# Altium PCB SVEC.pcbdoc (part 16 of 18)
Units mil, origin at the board's own origin, x right, y up, seen from the top; angles counter-clockwise.
Board outline 6349.25 x 9237.04 mil, 10 copper layers (Top Layer, L2 GND, L3, L4 PWR3.3, L5, L6, L7 GND, L8, L9 PWR, Bottom Layer), stack 58.268 mil thick; 906 components, 904 nets, 4753 pads, 3116 vias.
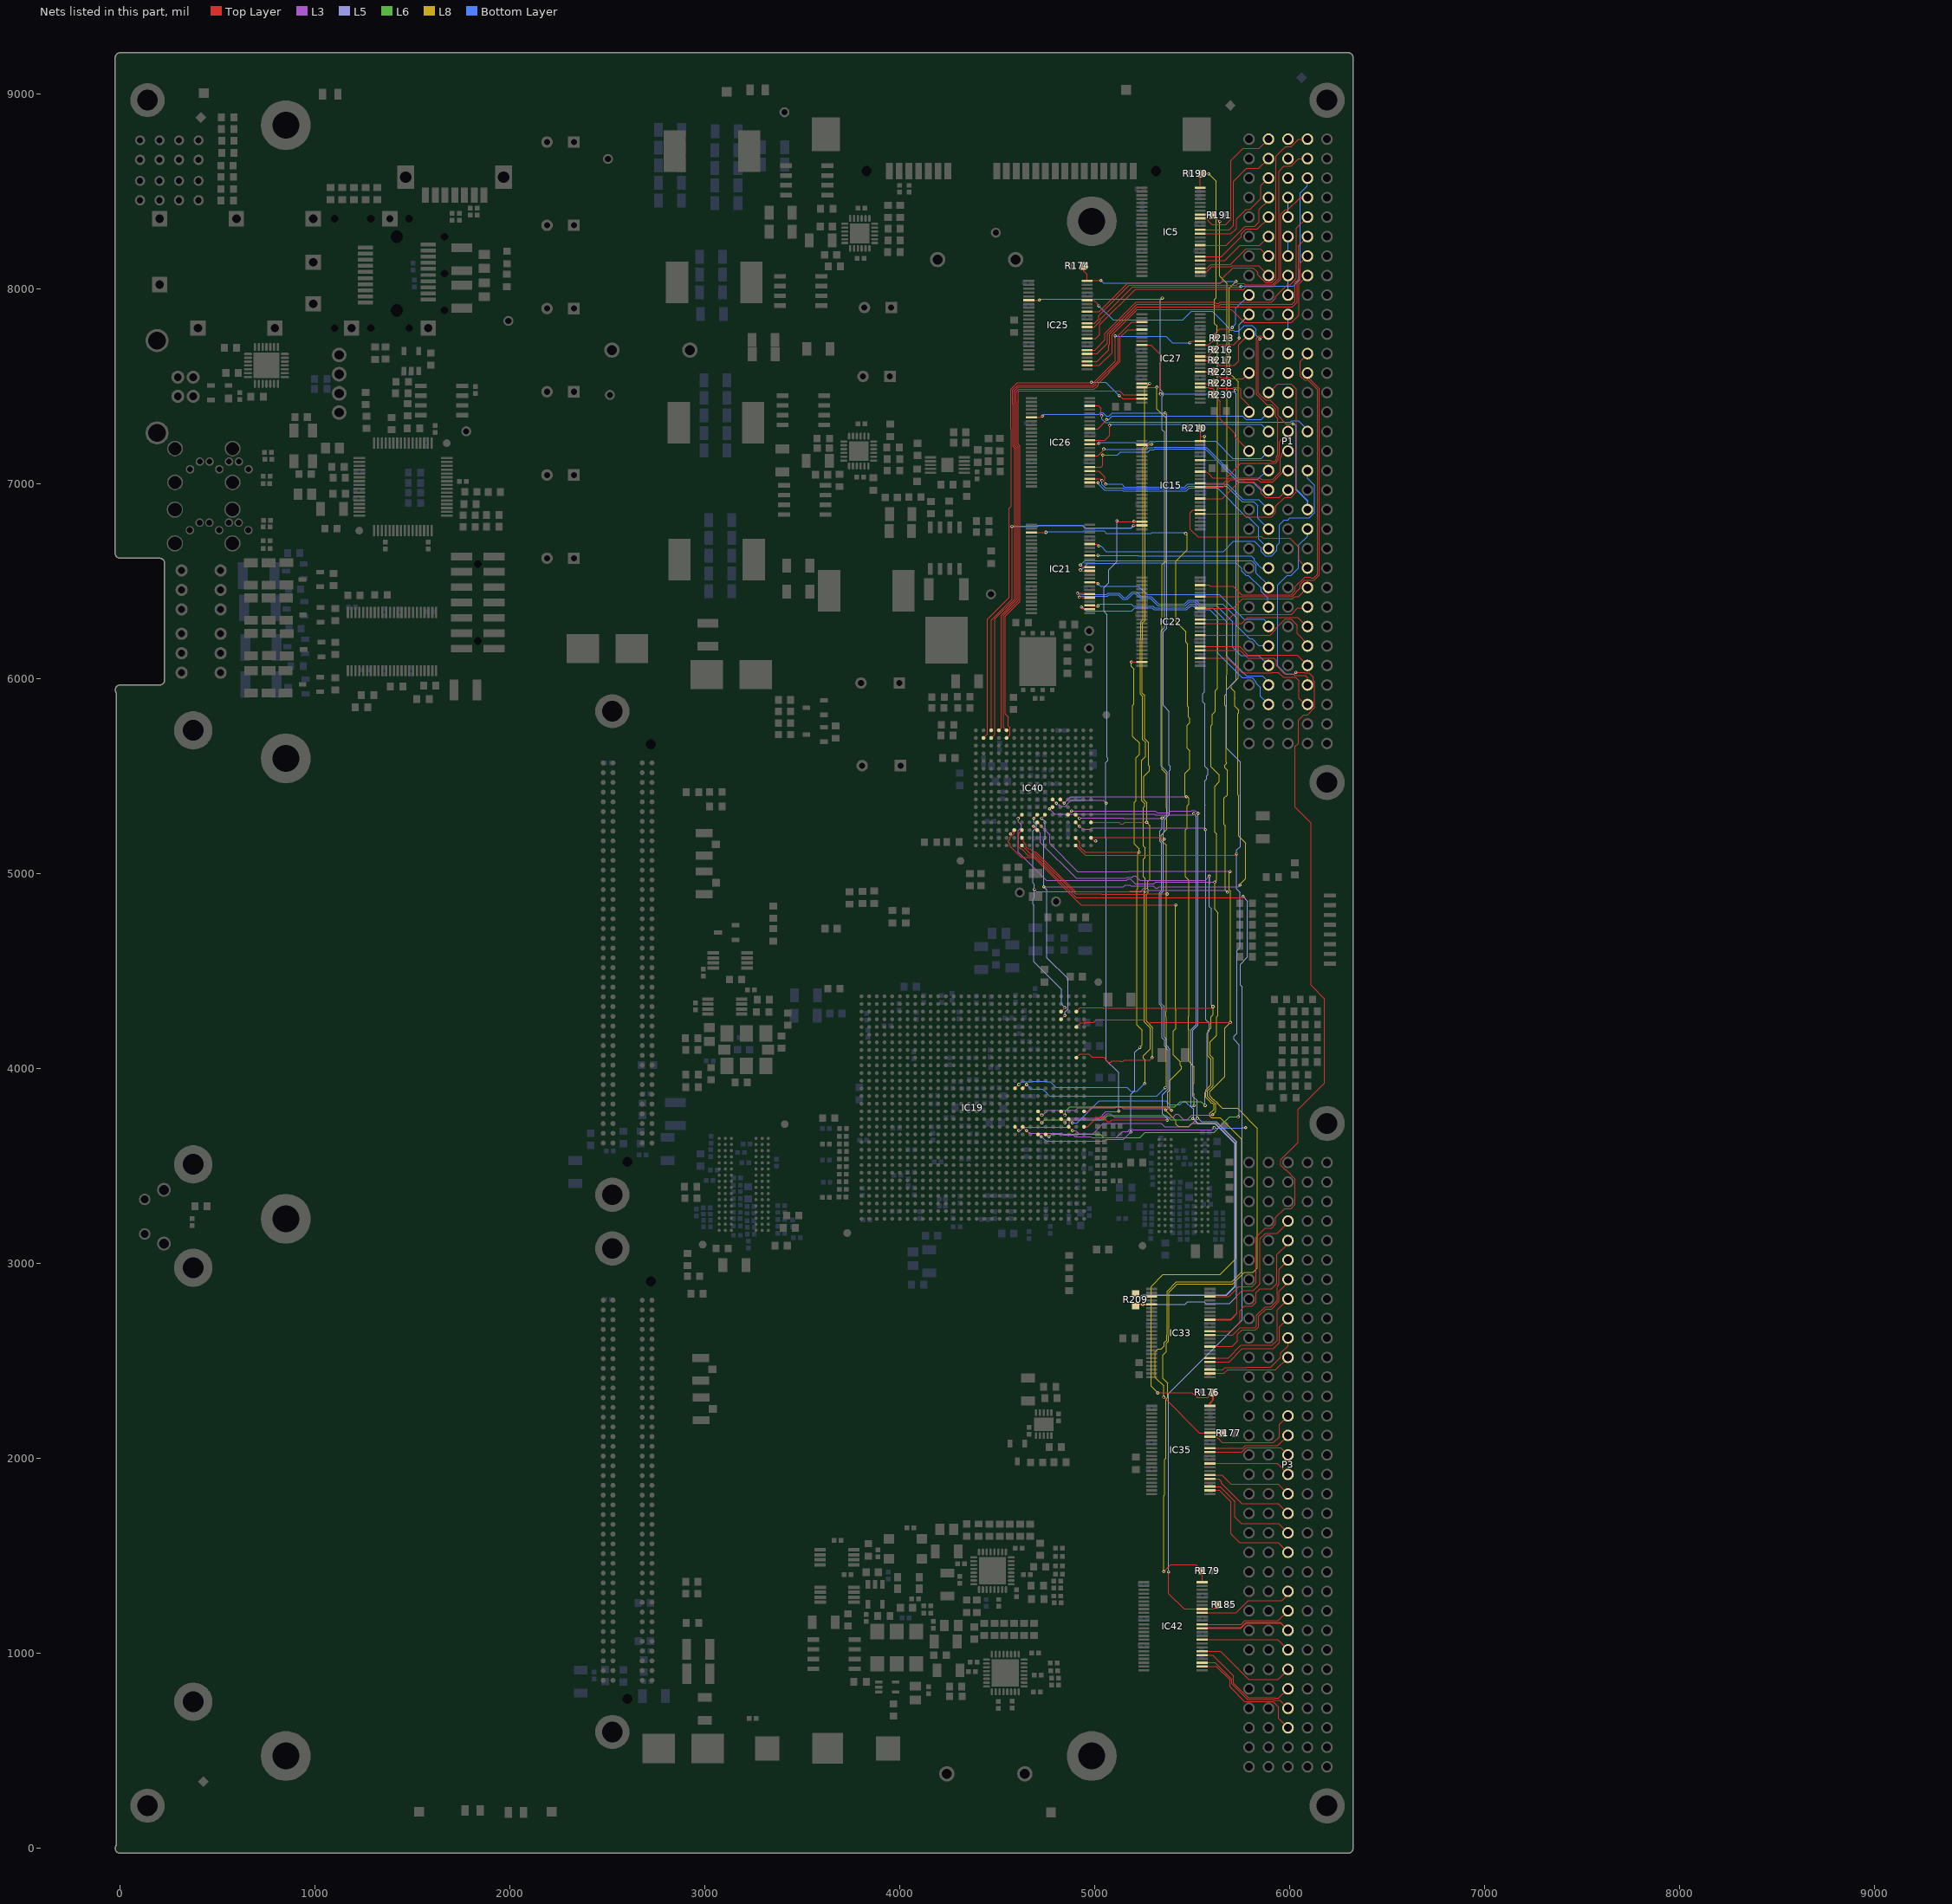
[diagram p24: the nets of this part, all layers, seen from the top]

## Via types
v1: diameter 15.75, hole 7.87, Top Layer to Bottom Layer, tented both sides, 2844 vias
v2: diameter 31.5, hole 15.75, Top Layer to Bottom Layer, tented both sides, 224 vias
v3: diameter 19.68, hole 7.87, Top Layer to Bottom Layer, tented both sides, 31 vias
v4: diameter 15.75, hole 7.87, Top Layer to Bottom Layer, 17 vias

## Nets (pads, with @x,y where several pads share a name; then routed paths per layer and width w, separated by ;. In a path a pad name is that pad's centre, name@x,y a point inside that pad or via, vN(x,y) a via of type N, cw(c..) or ccw(c..) an arc to the next point about the centre after c; other vN are vias at no path point) (continued)
VME_GA3: IC19.V10 IC27.19 IC40.B10 | length 5201.6
  Top Layer w5: IC19.V10@4590.09,3898.93 v1(4609.77,3918.62) ; IC40.B10@4625.5,5184.6 4634.18,5175.92 4634.18,5162.14 4640.21,5156.11 ; 4640.21,5155.16 4647.53,5147.84 4647.53,5138.05 4657.69,5127.89 4667.48,5127.89 4683.48,5111.89 4689.01,5111.89 4690.02,5110.89 4697.36,5110.89 4899.11,4909.13 5176.92,4909.13 5178.92,4911.13 ; 5179.3,4911.51 v1(5258.55,4911.51) ; IC27.19@5238.9,7513.51 IC27.19@5240.95,7515.55 5275.51,7515.55 v1@5277.55,7513.51
  L8 w4: v1(5255.55,3923.51) 5258.55,3926.51 5258.55,4044.76 5249.18,4054.14 5249.18,4066.87 5283.93,4101.62 5283.93,4209.25 5254.18,4239 5254.18,4907.13 v1(5258.55,4911.51) 5258.55,4975.76 5249.43,4984.89 5249.43,5075.24 5258.55,5084.36 5258.55,5132.27 5249.43,5141.4 5249.43,5340.64 5255.93,5347.14 5255.93,5359.87 5240.55,5375.25 5240.55,5582.25 5259.55,5601.25 5259.55,5674.22 5244.93,5688.85 5244.93,5909.87 5232.58,5922.22 5232.58,6201.7 5235.18,6204.3 5235.18,6292.42 5247.18,6304.42 5247.18,7185.27 5255.18,7193.27 5255.18,7491.13 v1@5277.55,7513.51
  Bottom Layer w5: v1(4609.77,3918.62) 4625.15,3933.99 4655.51,3933.99 4655.55,3933.95 4682.11,3933.95 4683.04,3934.88 4751.04,3934.88 4753.3,3932.61 4770.89,3932.61 4800.26,3903.24 5164.07,3903.24 5184.19,3883.13 5215.18,3883.13 v1(5255.55,3923.51)
  other v1: 5280.69,7515.64
VME_GA4: IC19.V9 IC27.20 IC40.A10 | length 5370.1
  Top Layer w5: IC40.A10@4625.5,5145.23 4667.84,5102.89 4685.28,5102.89 4686.29,5101.89 4693.63,5101.89 4899.01,4896.51 5035.55,4896.51 ; IC19.V9@4629.46,3898.93 v1(4649.14,3918.62) ; 5035.93,4896.13 5264.92,4896.13 ; IC27.20@5240.95,7495.87 5316.92,7495.87 v1(5317.55,7496.51) ; 5265.3,4896.51 v1@5371.3,4896.51
  L8 w4: v1(5317.55,7496.51) 5317.55,7384.76 5365.55,7336.76 5365.55,6606.53 5345.18,6586.16 5345.18,5534 5365.55,5513.62 5365.55,5338.25 5369.93,5333.87 5369.93,5228.4 5339.81,5198.28 5339.81,5171.14 5365.55,5145.39 5365.55,4296.53 5365.18,4296.16 5365.18,4266.85 5365.55,4266.48 5365.55,3907.51 v1(5360.55,3902.51)
  Bottom Layer w5: v1(4649.14,3918.62) 4671.63,3896.13 4731.39,3896.13 4752.88,3874.64 4752.88,3873.29 4766.04,3860.13 5318.18,3860.13 v1(5360.55,3902.51) v1@5355.3,3902.51
  other v1: 5371.45,4896.35
VME_GAP: IC19.M6 IC27.9 IC40.A3 | length 6429.2
  Top Layer w5: IC19.M6@4747.57,3662.71 4753.35,3662.71 v1@4764.55,3651.51 ; IC40.A3@4901.09,5145.23 4951.19,5095.13 5720.18,5095.13 v1(5727.55,5102.51) ; IC27.9@5240.95,7712.4 5287.66,7712.4 5336.55,7663.51 5336.55,7618.25 5332.18,7613.87 5332.18,7503.62 5332.93,7502.87 5332.93,7465.63 v1@5332.18,7464.88
  L6 w4: v1@4764.55,3651.51 4776.93,3663.88 5026.18,3663.88 5043.55,3646.51 5231.55,3646.51 5258.18,3673.13 5611.44,3673.13 5690.81,3752.51 v1(5734.55,3752.51)
  L5 w5: v1(5720.45,7480.51) 5720.45,7466.23 5725.18,7461.51 5725.18,5993.87 5676.18,5944.87 5676.18,5643.45 5745.69,5573.95 5745.69,5155.7 5745.89,5155.49 5745.89,5139.85 5727.55,5121.51 v1(5727.55,5102.51) 5727.55,4920.77 5745.18,4903.15 5745.18,4622.51 5728.69,4606.02 5728.69,4182.38 5712.18,4165.87 5712.18,4151.14 5740.55,4122.76 5740.55,3758.51 v1(5734.55,3752.51)
  Bottom Layer w5: v1(5336.55,7460.51) 5684.81,7460.51 5697.19,7472.88 5712.83,7472.88 v1(5720.45,7480.51)
  other v1: 4764.69,3651.64
VME_IACK_N: IC19.N1 IC25.6 IC40.E3 | length 5933.2
  Top Layer w5: IC25.6@4660.95,7942.46 4714.51,7942.46 v1(4715.55,7943.51) ; IC40.E3@4901.09,5302.71 4920.55,5283.25 v1(4920.55,5284.51) ; IC19.N1@4944.42,3702.08 4962.41,3702.08 5009.84,3749.51 5042.81,3749.51 5064.19,3728.13 5076.92,3728.13 5087.3,3738.51 5369.55,3738.51 5370.55,3737.51 v1(5370.55,3735.51)
  L3 w4: v1(4920.55,5284.51) 4921.93,5285.88 5144.92,5285.88 5146.3,5284.51 5343.55,5284.51 v1(5345.55,5286.51)
  L5 w5: v1(5345.55,7953.51) 5334.69,7942.64 5334.69,7484.11 5351.93,7466.87 5351.93,7454.14 5345.18,7447.39 5345.18,7278.02 5358.18,7265.02 5358.18,6263.07 5340.69,6245.58 5340.69,5552.63 5371.93,5521.39 5371.93,5307.85 5351.21,5287.13 5345.68,5287.13 5345.18,5286.63 5345.18,5231.02 5333.18,5219.02 5333.18,5165.4 5341.93,5156.65 5341.93,4912.61 5330.55,4901.24 5330.55,4329.78 5345.18,4315.16 5345.18,4157.83 5356.93,4146.08 5356.93,4114.56 5375.93,4095.56 5375.93,3896.14 5346.44,3866.65 5346.44,3767.62 5370.55,3743.51 v1(5370.55,3735.51)
  Bottom Layer w5: v1(4715.55,7943.51) 4720.93,7948.88 5062.16,7948.88 5062.53,7948.51 5340.55,7948.51 v1(5345.55,7953.51)
VME_IACKIN_N: IC19.P7 IC33.3 IC40.F6 R209.2 | length 4755.9
  Top Layer w5: IC19.P7@4708.2,3741.45 v1(4727.88,3721.77)
  Top Layer w6: v1@4771.41,5335.51 IC40.F6@4779.98,5344.08 ; R209.2@5208.55,2846 5224.04,2830.51 v1(5240.55,2830.51) IC33.3@5290.95,2830.51
  L3 w4: v1(4767.1,5332.73) 4792.7,5307.13 5305.93,5307.13 5311.18,5301.88 5501.93,5301.88
  L6 w4: v1(4727.88,3721.77) 4743.26,3737.14 5042.44,3737.14 5064.19,3758.88 5366.8,3758.88 5388.8,3736.88 5492.93,3736.88 v1@5500.55,3744.51
  L5 w5: v1@5505.93,3749.88 5505.93,3792.39 5494.18,3804.14 5494.18,4200.64 5519.93,4226.39 5519.93,5295.13 v1(5507.55,5307.51)
  L5 w6: v1(5240.55,2830.51) 5246.67,2836.63 5672.68,2836.63 5717.55,2881.51 5717.55,3618.51 5617.55,3718.51 5528.55,3718.51 v1@5503.55,3743.51
  other v1: 5502.55,3744.51
VME_IACKOUT_N: IC19.N3 IC33.5 IC40.E4 R209.1 | length 4632.3
  Top Layer w5: IC40.E4@4861.72,5302.71 v1@4879.55,5320.54 ; IC19.N3@4865.68,3702.08 v1(4885.37,3682.4) 4885.55,3682.58 v1@4885.55,3685.51
  Top Layer w8: R209.1@5208.55,2783.01 5216.69,2791.14 v1(5245.55,2791.14) IC33.5@5290.95,2791.14
  L3 w4: v1(4879.55,5322.51) 5309.81,5322.51 5320.44,5311.88 5377.93,5311.88 5388.55,5322.51 5495.81,5322.51 ; v1@4885.55,3685.51 4885.55,3682.58 v1(4885.37,3682.4) 4902.99,3682.39 4918.37,3667.02 4990.07,3667.02 5042.55,3719.51 5340.44,3719.51 5357.81,3702.13 5482.18,3702.13 v1(5525.55,3745.51) ; 5496.19,5322.88 5513.92,5322.88 ; 5514.3,5322.51 5518.55,5322.51 v1@5527.64,5313.42
  L5 w5: v1(5245.55,2791.14) 5462.19,2791.14 5475.93,2804.88 5559.92,2804.88 5568.67,2796.13 5691.97,2796.13 5727.05,2831.22 5727.05,3623.86 5621.78,3729.13 5545.93,3729.13 5523.93,3751.13 5523.93,3836.51 5503.18,3857.25 5503.18,4196.91 5529.93,4223.66 5529.93,5308.13 v1(5528.55,5309.51) v1@5527.64,5310.42
VME_IRQ1: IC19.AG4 IC25.48 IC40.E7 R174.1 | length 6217.9
  Top Layer w5: v1(4727.55,5284.51) 4743.61,5300.56 IC40.E7@4743.61,5302.71 ; IC19.AG4@4826.31,4253.26 v1(4846,4272.95) ; R174.1@4942.05,8118.51 4942.05,8092.01 4960.16,8073.9 IC25.48@4960.16,8040.88 4962.78,8043.51 v1(5031.55,8043.51)
  L3 w4: v1(4738.31,4932.51) 5146.81,4932.51 5156.19,4941.88 5178.92,4941.88 5183.92,4936.88 5299.44,4936.88 5310.19,4926.13 5322.92,4926.13 5329.3,4932.51 5735.55,4932.51 v1(5744.55,4941.51)
  L5 w5: v1(4727.55,5284.51) 4744.55,5267.51 4744.55,5180.24 4738.31,5174 v1(4738.31,4932.51) 4753.93,4916.89 4753.93,4569.46 4861.93,4461.46 4861.93,4306.51 4846,4290.58 v1(4846,4272.95)
  L8 w4: v1(5723.55,8039.51) 5688.18,8004.13 5688.18,7628.14 5691.18,7625.14 5691.18,7568.14 5735.83,7523.49 5735.83,6004.52 5699.18,5967.87 5699.18,5950.51 5717.18,5932.51 5717.18,5900.85 5717.93,5900.11 5717.93,5858.87 5737.93,5838.87 5737.93,5826.14 5732.55,5820.76 5732.55,5403.81 5737.93,5398.44 5737.93,5193.16 5772.93,5158.16 5772.93,4974.56 5739.93,4941.56 5739.93,4940.13 5741.55,4938.51 v1(5744.55,4941.51)
  Bottom Layer w5: v1(5031.55,8043.51) 5044.93,8030.13 5644.92,8030.13 5654.3,8039.51 v1(5723.55,8039.51)
VME_IRQ2: IC5.41 IC19.AH4 IC40.E8 R191.1 | length 5727.3
  Top Layer w5: v1@4686.55,5285.02 IC40.E8@4704.24,5302.71 ; IC19.AH4@4826.31,4292.63 4846.18,4312.51 v1@4846.55,4312.51 ; IC5.41@5540.16,8382.09 5602.48,8382.09 R191.1@5606.06,8378.51 5638.06,8346.51 v1(5640.55,8346.51)
  L3 w4: v1(4689.55,4920.51) 4700.93,4909.13 5234.44,4909.13 5252.19,4926.88 5264.92,4926.88 5275.67,4916.13 5668.93,4916.13 v1(5679.55,4905.51)
  L5 w5: v1(4686.55,5283.51) 4686.55,5263.4 4699.93,5250.02 4699.93,5237.29 4681.18,5218.54 4681.18,4952.64 4689.55,4944.27 v1(4689.55,4920.51) 4689.55,4878.01 4681.18,4869.64 4681.18,4843.21 4686.93,4837.46 4686.93,4825.55 4686.55,4825.18 4686.55,4547.51 4828.55,4405.51 4828.55,4329.76 v1(4846,4312.32) 4846.18,4312.51 v1@4846.55,4312.51
  L8 w4: v1(5640.55,8346.51) 5640.55,8065.25 5678.18,8027.62 5678.18,6021.27 5674.55,6017.65 5674.55,5923.65 5666.18,5915.27 5666.18,5863 5672.18,5857 5672.18,5573.76 5674.55,5571.39 5674.55,5565.25 5666.18,5556.87 5666.18,5544.14 5678.93,5531.39 5678.93,5403.3 5663.18,5387.55 5663.18,5251.85 5668.55,5246.48 5668.55,4916.51 v1(5679.55,4905.51)
VME_IRQ3: IC5.48 IC19.N10 IC40.E10 R190.1 | length 7465.5
  Top Layer w5: IC19.N10@4590.09,3702.08 v1(4609.77,3682.4) ; v1(4605.81,5283.02) IC40.E10@4625.5,5302.71 ; IC5.48@5540.16,8519.88 5540.16,8572.62 5548.05,8580.51 R190.1@5548.05,8591.51 v1@5582.55,8591.51
  L3 w4: v1(4605.81,5283.02) 4605.81,5265.4 4621.19,5250.02 4621.19,5237.29 4605.81,5221.91 4605.81,5111.25 4750.55,4966.51 5162.81,4966.51 5169.19,4972.88 5181.92,4972.88 5206.67,4948.13 5301.44,4948.13 5310.19,4956.88 5614.18,4956.88 v1(5614.55,4956.51) ; 4618.44,3682.39 4636.55,3700.51 4856.55,3700.51 4869.99,3713.94 4869.99,3728.13 4880,3738.14 5029.3,3738.14 5060.04,3768.88 5081.06,3768.88 5099.06,3750.88 5401.19,3750.88 5415.69,3765.38 5427.42,3765.38 5436.93,3755.87 ; 5436.93,3755.13 5452.19,3739.87 5476.18,3739.87 5497.19,3760.88 5600.93,3760.88 v1(5604.55,3764.51)
  L8 w4: v1(5583.55,8590.51) 5621.55,8552.51 5621.55,7955.25 5613.18,7946.87 5613.18,7822.02 5625.5,7809.71 5625.5,7769.96 5627.93,7767.53 5627.93,5949.79 5616.93,5938.79 5616.93,5833 5602.18,5818.25 5602.18,5765.5 5595.18,5758.5 5595.18,5549.3 5637.93,5506.55 5637.93,5472 5615.18,5449.25 5615.18,5213.25 5624.93,5203.51 5624.93,4966.88 v1(5614.55,4956.51) 5614.55,4816.56 5630.93,4800.19 5630.93,4273.6 5624.55,4267.22 5624.55,4171.51 5591.18,4138.13 5591.18,4068.14 5605.93,4053.39 5605.93,3913.91 5578.18,3886.16 5578.18,3856.85 5601.15,3833.88 5605.24,3833.88 5618.93,3820.19 5618.93,3778.88 v1(5604.55,3764.51)
VME_IRQ4: IC19.N9 IC40.C10 IC42.41 R185.1 | length 6627.4
  Top Layer w5: IC40.C10@4625.5,5223.97 4605.81,5204.28 4608.16,5201.94 4608.16,5138.05 4618.31,5127.89 4624.37,5127.89 4658.36,5093.89 4681.55,5093.89 4682.56,5092.89 4689.9,5092.89 4905.28,4877.51 5753.55,4877.51 v1(5759.55,4883.51) ; IC19.N9@4629.46,3702.08 v1(4649.14,3682.4) ; v1(5377.55,1418.51) 5377.55,1307.51 5456.97,1228.09 IC42.41@5550.16,1228.09 5608.64,1228.09 R185.1@5631.06,1250.51
  L3 w4: 4898.88,3650.51 4978.55,3650.51 4983.55,3645.51 5109.55,3645.51 5142.55,3678.51 5168.93,3678.51 5178.81,3688.38 5192.68,3688.38 5195.55,3685.51 5600.55,3685.51 v1(5611.69,3696.64)
  L3 w5: v1(4649.14,3682.4) 4663.52,3668.02 4828.73,3668.02 4836.73,3660.02 4889.37,3660.02 4898.88,3650.51 ; v1@5759.55,4882.51 v1(5759.55,4883.51)
  L5 w4: 5754.53,3697.51 v1(5773.55,3697.51)
  L5 w5: v1(5377.55,1418.51) 5377.55,2333.51 5754.53,2710.48 5754.53,3697.51 5754.53,4419.21 5746.18,4427.55 5746.18,4536.13 5782.55,4572.51 5782.55,4860.51 v1(5759.55,4883.51)
  Bottom Layer w5: v1(5611.69,3696.64) 5610.55,3695.51 5753.55,3695.51 5755.55,3697.51 v1(5773.55,3697.51)
VME_IRQ5: IC19.AF2 IC40.D8 IC42.48 R179.1 | length 6412.4
  Top Layer w5: IC40.D8@4704.24,5263.34 v1(4723.93,5243.65) ; IC19.AF2@4905.05,4213.89 4927.08,4235.92 4951.6,4235.92 4952.19,4236.51 4993.55,4236.51 5006.93,4249.88 5257.44,4249.88 5273.19,4234.13 5285.92,4234.13 5288.3,4236.51 v1(5694.55,4236.51) ; v1(5353.55,1419.51) 5388.74,1454.69 5517.64,1454.69 5544.82,1427.51 R179.1@5554.05,1427.51 ; IC42.48@5550.16,1365.88 R179.1@5550.16,1423.62
  L3 w4: v1(4723.93,5243.65) 4769.06,5198.52 4769.06,5154 4911.93,5011.13 5171.44,5011.13 5174.19,5013.88 5691.18,5013.88 v1(5693.55,5011.51)
  L8 w4: v1(5353.55,1419.51) 5353.55,1809.76 5357.55,1813.76 5357.55,1994.76 5364.93,2002.14 5364.93,2305.14 5373.55,2313.76 5373.55,2387.24 5348.93,2411.87 5348.93,2531.88 5365.93,2548.88 5365.93,2590.85 5378.18,2603.11 5378.18,2628.87 5380.27,2630.96 5380.27,2853.22 5422.55,2895.51 5705.7,2895.51 5765.72,2955.53 5811.58,2955.53 5833.53,2977.48 5833.53,3693.53 5730.55,3796.51 5652.67,3796.51 5627.93,3821.25 5627.93,3823.92 5608.96,3842.88 5606.3,3842.88 5588.18,3861 5588.18,3882.02 5665.55,3959.39 5665.55,4207.51 v1(5694.55,4236.51) ; v1@5689.18,5007.13 5689.18,4917.62 5694.93,4911.87 5694.93,4555.19 ; v1@5694.84,4236.79 5694.84,4555.1
VME_IRQ6: IC19.AH2 IC35.41 IC40.C8 R177.1 | length 5431.4
  Top Layer w5: v1(4684.55,5243.66) IC40.C8@4704.24,5223.97 ; IC19.AH2@4905.05,4292.63 4924.74,4312.32 5040.42,4312.32 5041.17,4311.57 5598.62,4311.57 v1(5605.55,4318.51) ; v1(5352.55,2314.51) 5534.97,2132.09 IC35.41@5590.16,2132.09
  Top Layer w8: IC35.41@5590.16,2132.09 5654.48,2132.09 R177.1@5656.06,2130.51
  L3 w4: v1(4684.55,5243.66) 4720.55,5207.66 4720.55,5159.51 4903.55,4976.51 5158.67,4976.51 5165.04,4982.88 5191.19,4982.88 5197.19,4988.88 5209.92,4988.88 5231.92,4966.88 5565.93,4966.88 v1(5586.55,4987.51)
  L5 w4: v1(5586.55,4987.51) 5586.55,4831.76 5597.18,4821.14
  L5 w5: 5589.18,4946 v1@5589.18,4984.88 ; 5597.18,4821.14 5597.18,4326.88 v1(5605.55,4318.51)
  L8 w4: v1(5352.55,2314.51) 5352.55,2372.51 5309.18,2415.88 5309.18,2547.02 5324.04,2561.88 5339.81,2561.88 5355.93,2578 5355.93,2595 5368.18,2607.25 5368.18,2633.02 5370.27,2635.11 5370.27,2857.36 5418.41,2905.51 5701.55,2905.51 5753.53,2957.48 5753.53,3638.53 5642.93,3749.13 5598.19,3749.13 5589.18,3758.14 5589.18,3770.87 5609.93,3791.62 5609.93,3816.46 5601.51,3824.88 5594.92,3824.88 5590.18,3829.62 ; 5590.18,3830.71 5568.18,3852.71 5568.18,3890.3 5595.93,3918.05 5595.93,4049.25 5580.18,4065 5580.18,4194.25 5594.93,4209 5594.93,4265.88 5605.55,4276.51 v1(5605.55,4318.51)
VME_IRQ7: IC19.R7 IC35.48 IC40.C11 R176.1 | length 5373
  Top Layer w5: v1(4566.44,5204.28) IC40.C11@4586.13,5223.97 4586.13,5209.13 4564.1,5187.1 4564.1,5176.71 4556.44,5169.06 4556.44,5160.77 4564.1,5153.11 4564.1,5142.73 4621.94,5084.89 4646.55,5084.89 4647.56,5083.89 4686.17,5083.89 4929.55,4840.51 v1(5415.55,4840.51) ; IC19.R7@4708.2,3780.82 v1(4727.88,3761.14) ; v1@5323.93,2337.88 5498.44,2337.88 5524,2312.32 5580.86,2312.32 5605.55,2337.01 R176.1@5608.05,2339.51
  Top Layer w8: IC35.48@5590.16,2269.88 5590.16,2284.11 5605.55,2299.51 R176.1@5605.55,2337.01
  L3 w4: v1@4733.18,3761.14 4757.82,3785.77 4899.29,3785.77 4912.39,3798.88 5104.04,3798.88 5112.04,3806.88 5133.06,3806.88 5145,3794.95 5356.11,3794.95 v1(5362.55,3788.51)
  L8 w4: v1@5322.55,2337.51 5289.18,2370.88 5289.18,2883.13 5349.55,2943.51 5641.55,2943.51 5723.53,3025.48 5723.53,3626.11 5630.25,3719.38 5497.43,3719.38 5482.55,3704.51 5427.93,3704.51 5416.18,3716.26 5416.18,3733.14 v1@5362.55,3786.76 ; v1@5365.81,3788.51 5384.18,3806.87 5384.18,3939.42 5443.93,3999.16 5443.93,4011.9 5438.55,4017.27 5438.55,4034.51 5401.55,4071.51 5401.55,4192.27 5414.93,4205.65 5414.93,4274.14 ; v1@5413.55,4838.51 5413.55,4304.39 5415.93,4302.02 5415.93,4275.14
  other v1: 5322.55,2336.51
VME_LWORD_N: IC19.M7 IC22.23 IC40.B3 | length 3422.4
  Top Layer w5: IC19.M7@4708.2,3662.71 4714.35,3662.71 v1@4725.48,3651.58 ; IC40.B3@4901.09,5184.6 4923.12,5162.57 4923.12,5138.05 4950.99,5110.17 v1@5227.22,5110.17 ; v1@5187.86,6086.81 IC22.23@5240.95,6086.81
  L3 w4: 4731.51,3646.65 4749.65,3628.51 4838.77,3628.51 ; 4839.63,3627.65 5049.7,3627.65 5059.55,3637.51 5147.55,3637.51 v1(5184.55,3674.51) ; v1@5183.3,3674.51 v1@5183.92,3673.88
  L5 w4: v1(5184.55,3674.51) 5184.55,3867.51 5204.55,3887.51 5204.55,4083.51 v1(5230.55,4109.51)
  L8 w4: v1(5187.55,6086.51) 5187.55,6064.65 5200.55,6051.65 5200.55,5870.25 5194.18,5863.87 5194.18,5704.51 5228.93,5669.76 5228.93,5613.05 5210.55,5594.67 5210.55,5584.13 5211.43,5583.25 5211.43,5374.41 5202.18,5365.16 5202.18,5153.51 5227.55,5128.13 v1(5227.55,5110.51) 5218.93,5101.88 5218.93,4922.85 5215.93,4919.85 5215.93,4223.87 5241.93,4197.87 5241.93,4120.88 v1(5230.55,4109.51)
  other v1: 4724.69,3650.64
VME_RETRY_N: IC15.2 IC19.AB2 IC40.D1 | length 4001.8
  Top Layer w5: IC19.AB2@4905.05,4056.41 4924.74,4076.1 4968.82,4076.1 4984.6,4060.32 5043.41,4060.32 5069.6,4034.13 5081.51,4034.13 5086.26,4038.88 5131.44,4038.88 5132.19,4038.13 5144.92,4038.13 5151.92,4045.13 5282.18,4045.13 v1(5293.69,4056.64) ; IC40.D1@4979.83,5263.34 5070.55,5263.34 ; 5070.72,5263.51 5123.81,5263.51 5132.19,5255.13 5144.92,5255.13 5153.3,5263.51 v1(5265.55,5263.51) ; IC15.2@5240.95,7200.2 v1@5287.25,7200.2
  L8 w4: v1(5290.55,7203.51) 5279.55,7203.51 5257.18,7181.13 5257.18,6300.27 5245.18,6288.27 5245.18,6200.16 5242.58,6197.56 5242.58,5926.36 5254.93,5914.02 5254.93,5692.99 5275.93,5671.99 5275.93,5554.87 5280.93,5549.87 5280.93,5528.91 5250.55,5498.53 5250.55,5379.39 5265.93,5364.02 5265.93,5263.88 v1(5265.55,5263.51) 5282.55,5246.51 5282.55,4971.67 5271.18,4960.3 5271.18,4920.62 5273.93,4917.87 5273.93,4905.14 5264.18,4895.39 5264.18,4243.14 5295.55,4211.76 5295.55,4058.51 v1(5293.69,4056.64)
VME_RETRY_OE: IC15.48 IC19.R4 IC40.D3 R210.2 | length 5050.7
  Top Layer w5: IC19.R4@4826.31,3780.82 v1(4846,3761.14) ; IC40.D3@4901.09,5263.34 v1(4920.78,5243.65) ; IC15.48@5540.16,7219.88 5542.05,7221.77 5542.05,7244.51 ; R210.2@5542.05,7285.51 5542.05,7244.51 ; v1(5562.55,7244.51) 5542.05,7244.51
  L3 w4: v1(4920.78,5243.65) 4936.92,5227.51 4975.55,5227.51 4982.93,5234.88 5559.18,5234.88 v1(5567.55,5226.51) 5569.55,5224.51 v1@5567.55,5224.51
  L6 w4: v1(4846,3761.14) 4849.55,3764.69 4849.55,3781.51 4871.55,3803.51 5408.81,3803.51 5437.19,3831.88 5545.18,3831.88 v1(5565.55,3811.51)
  L5 w5: v1(5562.55,7244.51) 5562.18,7244.13 5562.18,5931.87 5554.18,5923.87 5554.18,5880.62 5564.93,5869.87 5564.93,5549.76 5579.93,5534.76 5579.93,5508.14 5572.93,5501.14 5572.93,5485.14 5564.18,5476.39 5564.18,5351.76 5564.93,5351.02 5564.93,5225.4 v1@5567.69,5222.64 ; v1(5565.55,3811.51) 5564.18,3812.88 5564.18,3876.39 5575.93,3888.14 5575.93,4182.62 5585.55,4192.25 5585.55,4234.51 5569.55,4250.51 5569.55,4978.62 5569.18,4979 5569.18,5000.02 5569.55,5000.39 5569.55,5181.13 5569.55,5224.51 v1(5567.55,5226.51)
VME_SYSCLK: IC19.P3 IC21.3 IC40.G5 | length 5243.6
  Top Layer w5: IC21.3@4673.95,6750.51 v1@4747.56,6750.51 ; IC40.G5@4822.35,5381.45 v1(4842.04,5361.76) ; IC19.P3@4865.68,3741.45 v1(4885.37,3721.77)
  L3 w4: v1(4842.04,5361.76) 4875.15,5394.88 v1@5466.18,5394.88
  L8 w4: v1(5465.55,6745.51) 5472.93,6738.13 5472.93,6660.88 5415.18,6603.13 5415.18,6292.88 5465.93,6242.13 5465.93,6187.99 5475.93,6177.99 5475.93,5858.51 5479.93,5854.51 5479.93,5803.02 5486.93,5796.02 5486.93,5775 5473.18,5761.25 5473.18,5643.85 5486.93,5630.11 5486.93,5539.91 5463.18,5516.16 5463.18,5400.88 v1(5468.55,5395.51) ; v1@5472.55,5396.51 5472.7,5396.51 5481.93,5387.27 5481.93,5357.79 5472.18,5348.04 5472.18,5322.16 5472.18,5233.87 5464.18,5225.87 5464.18,4984.51 5482.18,4966.51 5482.18,4271.02 5479.18,4268.02 5479.18,4199.63 5481.3,4197.51 5481.3,4036.93 5508.93,4009.3 5508.93,3926.91 5504.18,3922.16 5504.18,3873.96 5508.93,3869.22 5508.93,3811.88 v1(5508.55,3811.51)
  Bottom Layer w5: v1@4751.18,6754.13 4938.92,6754.13 4943.67,6758.88 5046.92,6758.88 5058.67,6747.13 5288.92,6747.13 5292.92,6751.13 5459.93,6751.13 v1(5465.55,6745.51) ; v1(4885.37,3721.77) 4907.81,3721.76 5021.55,3835.51 5365.18,3835.51 5386.55,3814.13 5387.3,3814.88 5434.6,3814.88 5451.6,3831.88 5463.51,3831.88 5471.93,3823.46 5471.93,3822.46 5487.88,3806.51 5503.55,3806.51 v1(5508.55,3811.51)
  other v1: 4748.55,6751.51
VME_SYSRESET_N: IC15.22 IC19.P4 IC40.G6 | length 3866.8
  Top Layer w5: IC40.G6@4782.98,5381.45 v1(4802.67,5361.76) ; IC19.P4@4826.31,3741.45 v1(4846,3721.77) ; v1(5112.55,6810.51) 5116.56,6806.5 v1@5202.56,6806.5 ; v1(5200.55,6808.51) v1@5202.56,6806.5 ; IC15.22@5240.95,6806.5 v1@5202.56,6806.5
  L3 w4: v1@4802.67,5355.39 4814.55,5355.39 4823.55,5346.39 4848.4,5346.39 4865.18,5363.17 ; v1(4846,3721.77) 4846,3723.81 4869.7,3747.51 5024.53,3747.51 5055.9,3778.88 5119.93,3778.88 v1(5122.55,3781.51) ; 4865.18,5364.87 4877.44,5377.14 5041.92,5377.14 v1(5057.55,5361.51)
  L5 w5: v1(5112.55,6810.51) 5112.55,6600.51 5070.93,6558.88 5070.93,6492.14 5046.18,6467.39 5046.18,6345.94 5062.93,6329.19 5062.93,5597.87 5065.93,5594.87 5065.93,5582.14 5054.55,5570.76 5054.55,5183.09 5057.93,5179.71 5057.93,4042.39 5108.19,3992.13 5109.93,3992.13 5122.55,3979.51 v1(5122.55,3781.51)